# Altium PCB BatteryBoard.PcbDoc
Units mm, origin at the board's own origin, x right, y up, seen from the top; angles counter-clockwise.
Board outline 33 x 7 mm, 2 copper layers (Top Layer, Bottom Layer), stack 0.98 mm thick; 3 components, 4 nets, 22 pads, 0 vias.
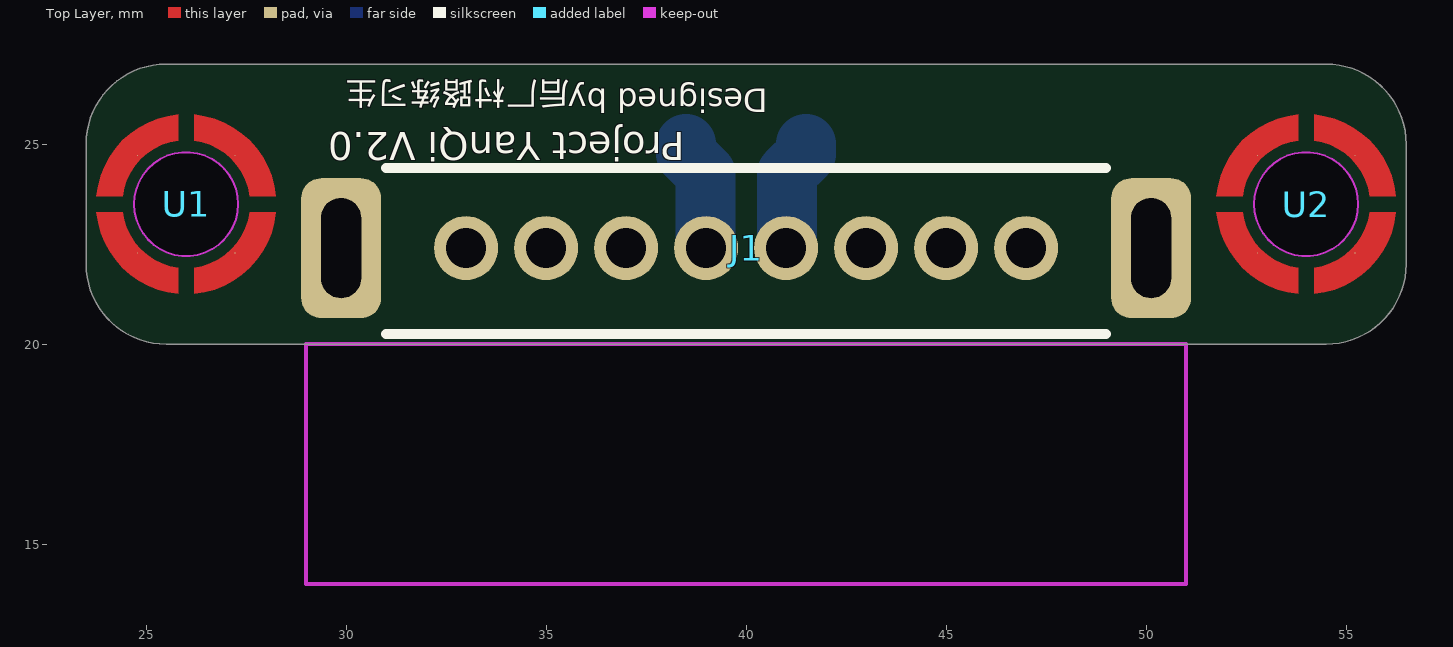
[diagram p0: Top Layer view]
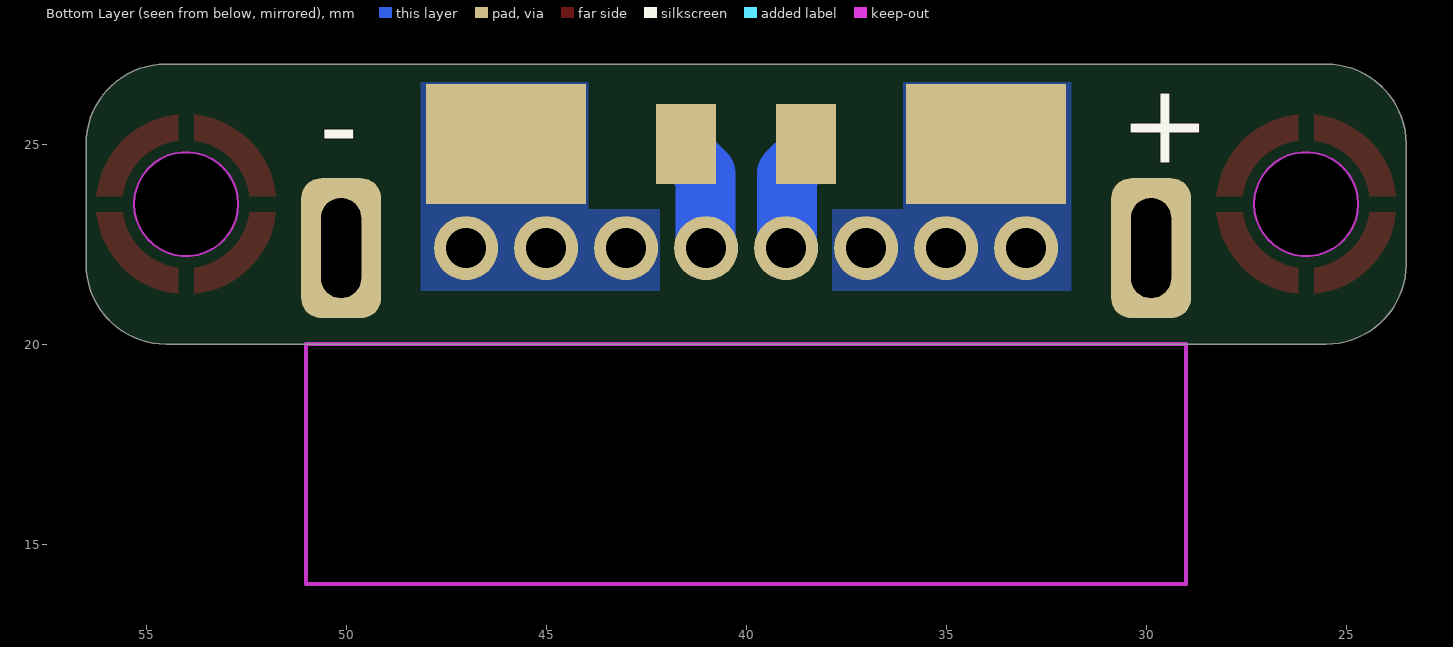
[diagram p1: Bottom Layer view, seen from below]
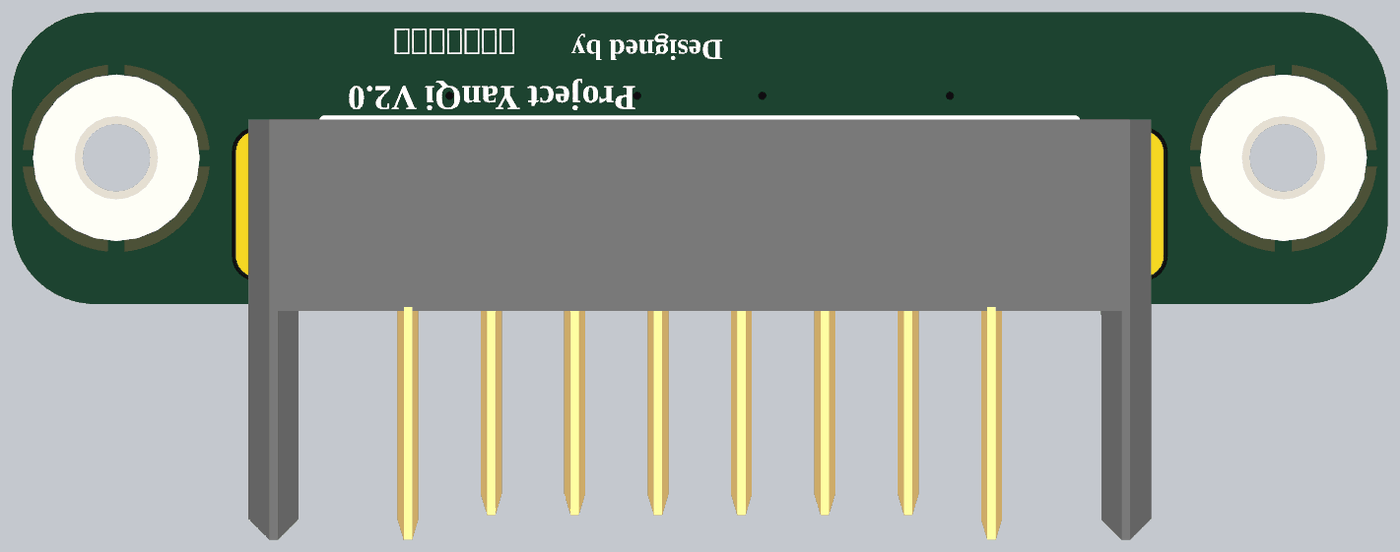
[diagram p2: 3D render of the assembled board from above, using the file's embedded part models]

## Layer stack, top to bottom
Top Solder: solder mask 0.01, Solder Resist, Dk 3.5
Top Layer: signal copper 0.035
Dielectric 1: dielectric 0.91, FR-4, Dk 4.8
Bottom Layer: signal copper 0.035
Bottom Solder: solder mask 0.01, Solder Resist, Dk 3.5

## Board outline
23.5,22 23.5,25 cw(c25.5,25) 25.5,27 54.5,27 cw(c54.5,25) 56.5,25 56.5,22 cw(c54.5,22) 54.5,20 25.5,20 cw(c25.5,22)

## Design rules (kind name [scope] priority, off if disabled: settings)
Clearance [All] p1: gap=0.254 ignorepadtopadclearanceinfootprint=FALSE except(0: Arc-Hole Track-Hole SMDPad-Hole THPad-Hole Via-Hole Fill-Hole Poly-Hole Region-Hole Text-Hole)
PolygonConnect [All] p1: connectstyle=Direct reliefconductorwidth=0.254 reliefentries=4 polygonreliefangle="90 Angle" airgapwidth=0.254
RoutingVias [All] p1: holewidth=0.711 width=1.27 viastyle="Through Hole" minholewidth=0.711 minwidth=1.27 maxholewidth=0.711 maxwidth=1.27
SolderMaskExpansion [All] p1: expansion=0.102 istentingtop=FALSE
Width [All] p1: maxlimit=5 minlimit=0.254 preferedwidth=0.254
30 further rules are at their usual default settings.

## Components (designator, comment, footprint, x,y, rotation, side; value= is the part's Value field where it differs from the comment)
J1 "BAT_8P_M" BAT_8P_M 40,22.4 r180 top
U1 "SMTSO2020CTJ" M2*4*1.5+2.5*1 26,23.5 r0 top
U2 "SMTSO2020CTJ" M2*4*1.5+2.5*1 54,23.5 r0 top

## Footprints (in the part's own frame and the unit in brackets; to place one, negate y for a bottom-side part, rotate by r counter-clockwise, add the part's x,y. Pads: shape width x height; smd on the part's side, far side on the other; paste and mask are expansions set on the pad)
BAT_8P_M [mm]
  rrect50% 2x3.5 hole 1 slot 2.5 at 90 deg: 0(-10.125,0) 0(10.125,0)
  round 1.6 hole 1: 1(-7,0) 2(-5,0) 3(-3,0) 4(-1,0) 5(1,0) 6(3,0) 7(5,0) 8(7,0)
  Keep-Out Layer board cut-out: -11,2.4 -11,8.4 11,8.4 11,2.4
  Keep-Out Layer lines w0.1: 11,8.4 11,2.4 -11,2.4 -11,8.4 11,8.4
  silkscreen extent -9,-2 9,2.15, body extent -10.82,-2.03 10.82,8.07, height 3.2
M2*4*1.5+2.5*1 [mil]
  round 1 smd: 1(-48.05,-48.05) 1(-48.05,48.05) 1(48.05,-48.05) 1(48.05,48.05)
  Top Layer region: -7.87,-88.23 -46.55,-75.37 -75.37,-46.55 -88.23,-7.87 -88.23,-7.87 -62.5,-7.87 -53.19,-33.75 -33.75,-53.19 -7.87,-62.5 -7.87,-62.5
  Top Layer region: 88.23,-7.87 75.37,-46.55 46.55,-75.37 7.87,-88.23 7.87,-88.23 7.87,-62.5 33.75,-53.19 53.19,-33.75 62.5,-7.87 62.5,-7.87
  Top Layer region: 7.87,88.23 46.55,75.37 75.37,46.55 88.23,7.87 88.23,7.87 62.5,7.87 53.19,33.75 33.75,53.19 7.87,62.5 7.87,62.5
  Top Layer region: -88.23,7.87 -75.37,46.55 -46.55,75.37 -7.87,88.23 -7.87,88.23 -7.87,62.5 -33.75,53.19 -53.19,33.75 -62.5,7.87 -62.5,7.87
  Keep-Out Layer board cut-out: 0,-51.18 -19.59,-47.29 -36.19,-36.19 -47.29,-19.59 -51.18,0 -51.18,0 -47.29,19.59 -36.19,36.19 -19.59,47.29 0,51.18 0,51.18 19.59,47.29 36.19,36.19 47.29,19.59 51.18,0 51.18,0 47.29,-19.59 36.19,-36.19 19.59,-47.29 0,-51.18
  Keep-Out Layer circle w1.97: c0,0 r51.18
  body extent -79,-78 78,79, height 59

## Part data
U1 U2: library part M2_NUT, JLCPCB Part Class="Extended Part", LCSC Part Name=雄和远景，电路板表贴圆螺母柱，M2X2，铜镀锡, Manufacturer=Sinhoo(雄和远景), Add into BOM=yes, Convert to PCB=yes, Datasheet=https://atta.szlcsc.com/upload/public/pdf/source/20211122/17CF5E24EB4D4DC090A80DE3D7DE5E21.pdf, Device=SMTSO2020CTJ, Manufacturer Part=SMTSO2020CTJ, Name=SMTSO2020CTJ, Supplier=LCSC, Supplier Footprint=-, Supplier Part=C2915626, Symbol=SMTSO2020CTJ

## Free pads (board coordinates)
  rect 0x0 / inner rect 0x0 / far side rect 4x3 all layers, no hole: 7(34,25) 7(46,25)
  rect 0x0 / inner rect 0x0 / far side rect 1.5x2 all layers, no hole: 7(38.5,25) 7(41.5,25)

## Nets (pads, with @x,y where several pads share a name; then routed paths per layer and width w, separated by ;. In a path a pad name is that pad's centre, name@x,y a point inside that pad or via, vN(x,y) a via of type N, cw(c..) or ccw(c..) an arc to the next point about the centre after c; other vN are vias at no path point)
B+: J1.5 pad.7@38.5,25 | length 2.8
  Bottom Layer w1.5: pad.7@38.5,25 38.5,24.75 38.981,24.269 38.981,22.419 J1.5
B-: J1.4 pad.7@41.5,25 | length 2.8
  Bottom Layer w1.5: J1.4 41.019,22.419 41.019,24.269 41.5,24.75 pad.7@41.5,25
BAT: J1.6 J1.7 J1.8 pad.7@34,25
BGND: J1.1 J1.2 J1.3 pad.7@46,25
pads on no net: J1.0 U1.1 U2.1

## Polygon pours and split planes (outlines as drawn)
BGND on Bottom Layer "BGND_L02_P001" (solid, pour order 1): 48.133,26.543 48.133,21.336 42.164,21.336 42.164,23.368 43.942,23.368 43.942,26.543
BAT on Bottom Layer "BAT_L02_P000" (solid, pour order 0): 31.877,26.543 31.877,21.336 37.846,21.336 37.846,23.368 36.068,23.368 36.068,26.543

## Silkscreen, mask and mechanical layers (free items; w line width, h text height)
Top Overlay:
  text "后厂村路练习生" at 35.585,26.744 h1 r180
  text "Designed by" at 40.547,26.589 h1 r180
  text "Project YanQi V2.0" at 38.465,25.53 h1.2 r180
Bottom Overlay:
  text "+" at 30.666,24.54 h2
  text "-" at 50.666,24.5 h2
Mechanical 1:
  the board outline again, w0.1